# Allegro board fscvmotherboardv2.brd (continued)
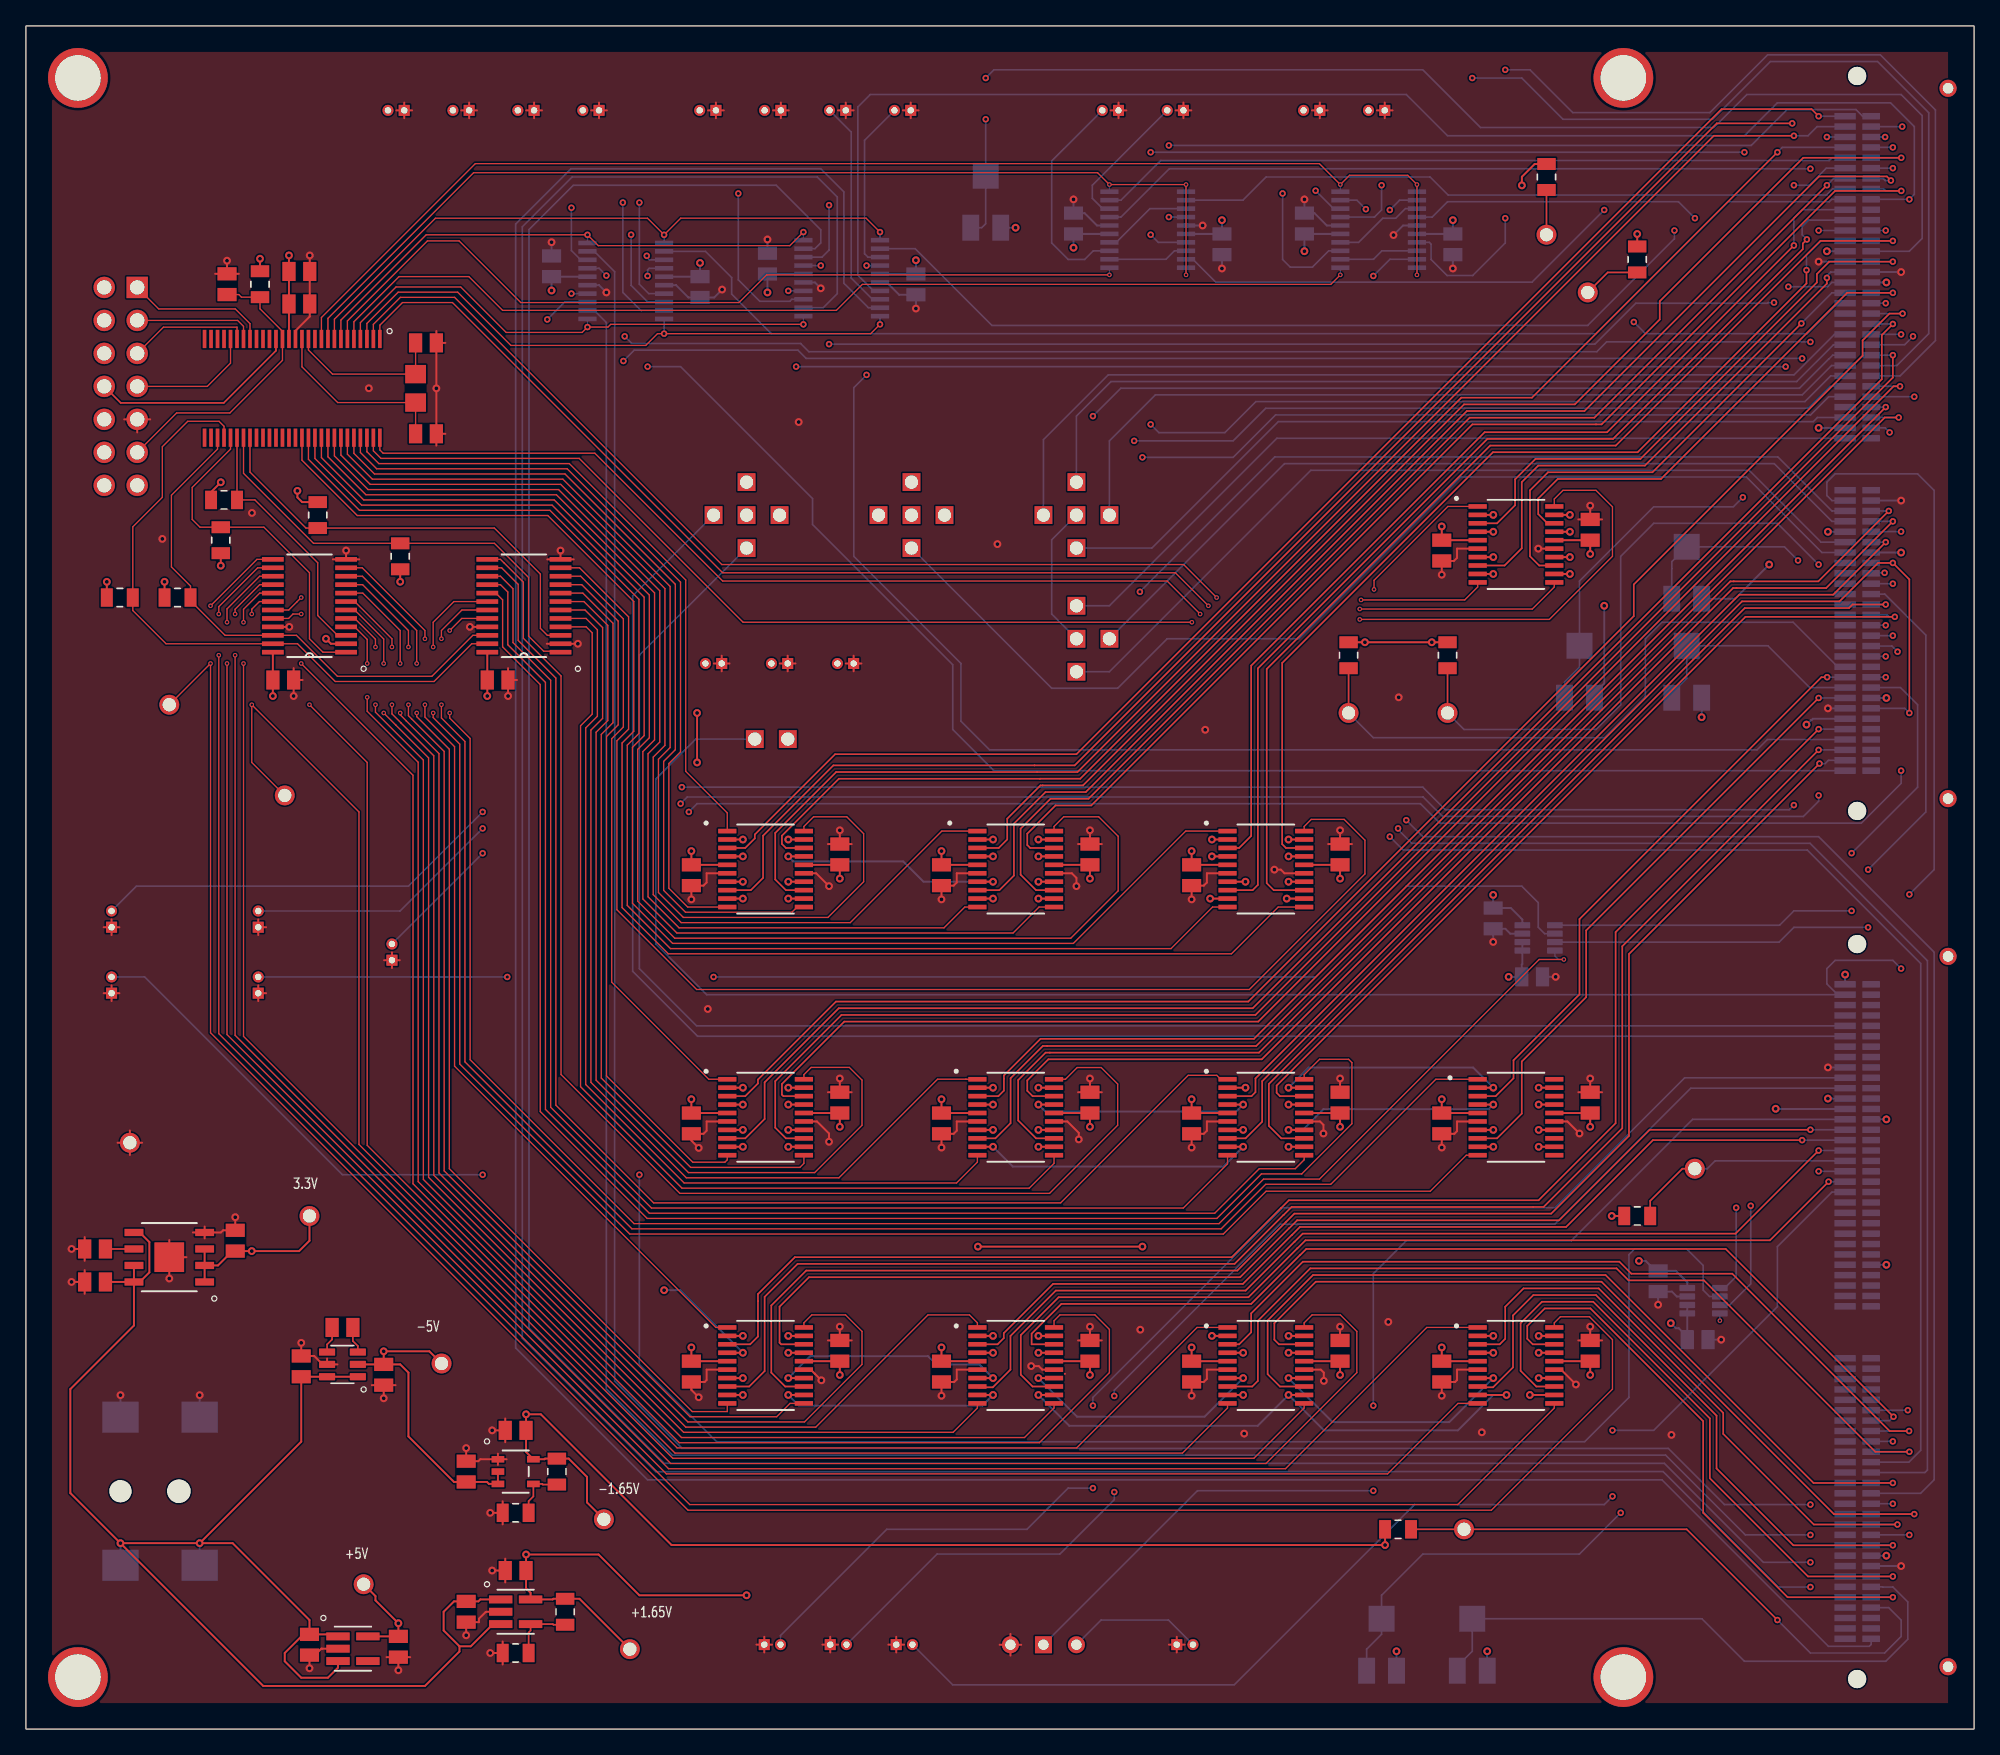
[diagram p0: board, top side]
## Routing (per net, layer and track width the routed paths; a pad name or vN(x,y) marks a point on that pad's centre or on a via; arc(x,y) is an arc through that point) (continued)
VDD_12: length 73.9
  TOP w0.127: v3(137.1,112.35) 137.1,111.33 124.1,98.32 112.96,98.32 96.73,82.1 96.73,68.14 97.02,67.85 U12.18
  BOTTOM w0.127: v3(137.1,112.35) 137.1,113.5 138.19,114.6 J1.13
VDD_34: length 49.3
  TOP w0.127: v3(143.75,14.15) 136.09,14.15 130.17,20.07 130.17,24.13 120.89,33.42 116.07,33.42 114.5,31.85 114.5,27.85 112.96,26.31 111.84,26.31 U9.8
  BOTTOM w0.127: v3(143.75,14.15) J1.231
VDD_56: length 116.2
  TOP w0.127: U17.3 55.76,29.63 56.36,30.23 56.36,32.95 56.36,33.49 59.2,36.34 92.85,36.34 96.61,40.1 96.62,40.1 97.24,40.72 116.47,40.72 122.4,46.65 122.4,61.37 v3(138.03,77)
  BOTTOM w0.127: v3(138.03,77) J1.56
VDD_78: length 38.3
  TOP w0.127: v3(143.75,110.6) 140.23,110.6 125.89,96.27 117.95,96.27 116.44,94.76 116.44,93.56 117.16,92.85 U19.18
  BOTTOM w0.127: v3(143.75,110.6) J1.78
VDD_D: length 88.3
  TOP w0.127: U21.8 93.9,45.49 95.19,46.77 95.19,49.89 132.13,86.84 139.64,86.84 142.6,89.8 v3(143.75,89.8) 145.02,88.53 v3(145.02,78.25)
  BOTTOM w0.127: v3(145.02,78.25) 144.66,78.6 J1.114 ; v3(143.75,89.8) J1.100
VDD_IT: length 172.9
  POWER w0.127: v3(144.38,58.56) 144.38,63.64 v3(145.02,64.28)
  BOTTOM w0.127: 139.5,56.55 J1.122 ; 139.5,56.55 138.67,57.38 138.67,58.56 139.31,59.2 143.75,59.2 v3(144.38,58.56) ; 139.5,56.55 52.41,56.55 48.5,60.47 48.5,73.17 51.57,76.23 VDD_IT1.TP ; v3(145.02,64.28) 146.93,66.18 146.93,95.39 145.66,96.66 139.31,96.66 138.67,96.03 138.67,94.99 139.06,94.6 J1.34
CH_A_SEL: length 49.5
  TOP w0.1: v3(65.76,115.28) 64.69,116.35 50.42,116.35 v3(49.13,115.07) 47.86,116.34 31.53,116.34 23.75,108.57 U1.8
  BOTTOM w0.127: U18.1 v3(65.76,115.28) ; U20.1 v3(49.13,115.07)
CH_AB_COND_SEL: length 66
  TOP w0.1: v1(83.42,111.98) 57.03,111.98 54.9,109.85 38.1,109.85 33.35,114.6 30.91,114.6 24.75,108.44 U1.6
  BOTTOM w0.1: 83.42,112.53 v1(83.42,111.98)
CH_AB_SEL: length 81.3
  TOP w0.1: U1.9 23.25,108.63 34.47,119.85 82.51,119.85 v1(83.42,118.94) v1(89.33,118.94) v1(89.33,111.98)
  BOTTOM w0.1: U22.11 v1(89.33,118.94) ; 89.33,112.53 v1(89.33,111.98) ; U22.10 v1(83.42,118.94)
CH_B_SEL: length 45.8
  TOP w0.1: v3(65.76,108.17) 65.04,107.46 v3(49.13,107.46) 48.63,107.46 47.72,106.55 37.34,106.55 33.24,110.65 28.66,110.65 26.25,108.24 U1.3
  BOTTOM w0.127: U18.10 v3(65.76,108.17) ; U20.10 v3(49.13,107.46)
CH_C_SEL: length 41.8
  TOP w0.1: U1.7 24.25,108.5 30.81,115.07 v3(43.23,115.07) 44.07,114.23 58.82,114.23 v3(59.86,115.28)
  BOTTOM w0.1: v3(43.23,115.07) U20.20 ; v3(59.86,115.28) U18.20
CH_CD_COND_SEL: length 81.5
  TOP w0.1: v1(101.2,111.98) 100.47,111.25 64.4,111.25 62.4,109.25 36.7,109.25 34.1,111.85 28.73,111.85 25.25,108.37 U1.5
  BOTTOM w0.1: 101.2,112.53 v1(101.2,111.98)
CH_CD_SEL: length 100.8
  TOP w0.1: v1(107.11,111.98) v1(107.11,118.94) 106.39,119.65 101.92,119.65 v1(101.2,118.94) 99.59,120.55 34.6,120.55 22.75,108.7 U1.10
  BOTTOM w0.1: U23.11 v1(107.11,118.94) ; 107.11,112.53 v1(107.11,111.98) ; U23.10 v1(101.2,118.94)
CH_D_SEL: length 39.5
  TOP w0.1: U1.4 25.75,108.31 28.49,111.05 33.47,111.05 36.97,107.55 42.82,107.55 v3(43.23,107.96) 44.81,107.96 45.02,108.17 v3(59.86,108.17)
  BOTTOM w0.1: U20.11 v3(43.23,107.96) ; U18.11 v3(59.86,108.17)
CH_EN_1: length 80
  TOP w0.127: U12.8 94.45,64.6 94.86,65.01 94.86,81.68 112.53,99.35 122.2,99.35 136.82,113.97 136.82,114.4 v3(137.13,114.71)
  BOTTOM w0.127: v3(137.13,114.71) 136.76,115.08 136.76,115.71 137.26,116.2 J1.11
CH_EN_1_SEL: length 104.4
  TOP w0.1: U12.10 91.37,63.3 88.17,60.1 49.62,60.1 46.3,63.42 46.3,75.77 47.2,76.67 47.2,87 40.35,93.85 25.68,93.85 21.75,97.78 U1.45
CH_EN_2: length 110
  TOP w0.127: U16.3 55.38,67.85 56.12,68.59 56.12,68.89 62.3,75.07 80.89,75.07 130.56,124.75 137.49,124.75 v3(138.03,124.2)
  BOTTOM w0.127: v3(138.03,124.2) J1.1
CH_EN_2_SEL: length 50.4
  TOP w0.1: U16.1 54,70.55 50.8,73.75 50.8,88.49 41.84,97.45 27.17,97.45 26.25,98.37 U1.54
CH_EN_3: length 46.1
  TOP w0.127: v3(144.1,15.75) 137.66,15.75 130.69,22.73 130.69,24.35 121.1,33.93 115.31,33.93 113.9,32.52 113.9,30.05 113.48,29.63 U9.3
  BOTTOM w0.127: v3(144.1,15.75) J1.229
CH_EN_3_SEL: length 150.5
  TOP w0.1: U6.16 18,88.12 16.1,86.23 v1(16.1,85.87) ; U9.1 107.86,30.93 96.98,20.05 49.48,20.05 16.1,53.42 v1(16.1,82.69)
  POWER w0.125: v1(16.1,85.87) v1(16.1,82.69)
CH_EN_4: length 78.8
  TOP w0.127: v3(143.8,24.05) 130.88,36.97 98.58,36.97 98.11,36.5 98.11,36.5 94.34,32.74 79.73,32.74 77.43,30.45 77.43,29.63 U24.18
  BOTTOM w0.127: v3(143.8,24.05) 143.5,23.75 J1.219
CH_EN_4_SEL: length 117.9
  TOP w0.1: U24.20 79.16,31.44 79.62,31.89 82.31,31.89 83.42,30.78 83.42,27.45 78.03,22.05 50.31,22.05 30.2,42.16 30.2,74.45 26.28,78.38 v1(26.28,79.45) ; v1(26.28,82.06) 26.28,83.91 25.31,84.88 U6.4
  POWER w0.125: v1(26.28,82.06) v1(26.28,79.45)
CH_EN_5: length 117.9
  TOP w0.127: U17.8 55.69,26.38 56.88,27.57 56.88,33.28 59.42,35.82 93.06,35.82 96.83,39.59 96.84,39.59 97.45,40.21 116.06,40.21 116.86,40.21 122.92,46.27 122.92,60.28 v3(138.03,75.4)
  BOTTOM w0.127: v3(138.03,75.4) J1.58
CH_EN_5_SEL: length 79.4
  TOP w0.1: U17.10 54,24.45 51.3,24.45 32.6,43.15 32.6,75.45 30.08,77.97 v1(30.08,78.25) ; U6.10 25.91,88.78 30.08,84.6 v1(30.08,82.06)
  POWER w0.125: v1(30.08,82.06) v1(30.08,78.25)
CH_EN_6: length 93.2
  TOP w0.127: U13.18 77.33,67.85 77.1,68.08 77.1,68.95 79.28,71.13 82.03,71.13 111.37,100.47 120.89,100.47 121.32,100.47 139.3,118.45 v3(144.4,118.45)
  BOTTOM w0.127: J1.68 143.05,118.6 143.2,118.45 v3(144.4,118.45)
CH_EN_6_SEL: length 105.2
  TOP w0.1: U1.47 22.75,97.91 26.01,94.65 40.68,94.65 48,87.33 48,76.34 47.1,75.44 47.1,63.76 49.96,60.9 80.45,60.9 84.1,64.55 84.1,68.75 82.6,70.25 79.91,70.25 79.16,69.5 U13.20
CH_EN_7: length 120.2
  TOP w0.127: v3(144.5,109) 143.48,109 141.42,106.94 141.42,105.76 123.8,88.14 123.8,85.7 94.12,56.02 62.37,56.02 56.36,50.01 56.36,49.72 55.38,48.74 U15.3
  BOTTOM w0.127: v3(144.5,109) J1.80
CH_EN_7_SEL: length 46.5
  TOP w0.1: U15.1 52.58,50.04 45.1,57.52 45.1,76.26 46,77.16 46,85.48 42.71,88.78 U4.10
CH_EN_8: length 98.1
  TOP w0.127: U14.8 74.64,45.49 75.81,46.66 75.81,50.12 78.3,52.6 78.63,52.6 78.63,52.6 94.73,52.6 143.13,101 v3(144.2,101)
  BOTTOM w0.127: v3(144.2,101) J1.90
CH_EN_8_SEL: length 73.1
  TOP w0.1: U14.10 73.26,43.66 71.65,42.05 50.68,42.05 43.1,49.63 43.1,77.09 44,77.99 44,84.65 43.12,85.53 U4.5
CH_EN_D: length 93
  TOP w0.127: U14.13 77.78,45.49 76.4,46.86 76.4,49.98 78.51,52.09 78.84,52.09 78.84,52.09 94.94,52.09 131.23,88.38 131.5,88.38 138.01,88.38 v3(143.43,93.8)
  BOTTOM w0.127: J1.95 143.43,93.8 v3(143.43,93.8)
CH_EN_D_SEL: length 79.1
  TOP w0.1: U14.11 79.16,43.56 77.25,41.65 50.52,41.65 42.7,49.47 42.7,77.26 43.6,78.16 43.6,84.42 43.14,84.88 U4.4
CH_OUT_A: length 13.3
  BOTTOM w0.127: U18.3 64.83,113.35 64.57,113.61 64.57,122.34 J5.1
CH_OUT_B: length 16.5
  BOTTOM w0.127: J9.1 63.54,122.98 63.54,111.74 65.18,110.1 U18.8
CH_OUT_C: length 15
  POWER w0.127: J13.1 61.84,119.69 v3(61.84,117.35)
  BOTTOM w0.127: U18.18 61.3,113.35 61.84,113.89 v3(61.84,117.35)
CH_OUT_D: length 20
  POWER w0.127: v3(54.85,118.25) 54.85,121.68 J17.1
  BOTTOM w0.127: v3(54.85,118.25) 54.85,111.6 56.5,109.95 58.82,109.95 58.97,110.1 U18.13
CH_OUTPUT_1: length 80.2
  POWER w0.127: v3(126.93,115.4) v3(138.03,115.4)
  BOTTOM w0.127: v3(126.93,115.4) 126.93,114.77 120.25,108.09 74.38,108.09 68.47,114 U18.2 ; v3(138.03,115.4) J1.12
CH_OUTPUT_2: length 239.3
  BOTTOM w0.127: U18.9 64.87,109.45 62.98,111.33 62.98,118.37 61.2,120.16 41.97,120.16 37.7,115.89 37.7,29.35 47.86,19.19 125.97,19.19 138.79,6.37 141.93,6.37 142.07,6.51 J1.240
CH_OUTPUT_3: length 231
  POWER w0.127: v3(145.02,14.95) 145.02,14.11 143.12,12.21 138.03,12.21 v3(137.4,12.84)
  BOTTOM w0.127: J1.230 v3(145.02,14.95) ; U18.19 60.75,114 61.2,114.45 61.2,115.45 57.77,118.89 42.15,118.89 38.73,115.47 38.73,30.86 49.13,20.46 126.15,20.46 133.77,12.84 v3(137.4,12.84)
CH_OUTPUT_4: length 254.2
  POWER w0.127: v3(137.4,10.94) 143.75,10.94 146.29,13.48 146.29,23.3 145.04,24.55 v3(144.9,24.55)
  BOTTOM w0.127: U18.12 61.38,109.45 62.47,110.54 62.47,117.98 60.93,119.52 42.06,119.52 38.22,115.68 38.22,30.11 48.5,19.83 126.06,19.83 134.95,10.94 v3(137.4,10.94) ; v3(144.9,24.55) J1.218
CH_OUTPUT_5: length 109.3
  POWER w0.127: v3(64.73,104.28) v3(64.73,112.7)
  BOTTOM w0.127: v3(64.73,112.7) U18.4 ; J1.57 134.09,76.2 133.29,75.4 74.2,75.4 72,77.61 72,82.06 63.74,90.31 63.74,103.29 v3(64.73,104.28)
CH_OUTPUT_6: length 108.7
  BOTTOM w0.127: U18.7 65.26,110.75 64.06,111.96 64.06,124.92 65.01,125.87 106.28,125.87 109.46,122.7 132.32,122.7 134.85,125.23 143.57,125.23 145.4,123.4 145.4,118.18 v3(145.02,117.8) J1.69
CH_OUTPUT_7: length 91.5
  POWER w0.127: v3(134.6,109.85) 135.04,109.85 135.09,109.8 v3(143.2,109.8) ; v3(61.2,112.7) 61.84,112.06 v3(61.84,106.65)
  BOTTOM w0.127: v3(134.6,109.85) 134.16,109.85 134.11,109.8 123.96,109.8 120.81,106.65 v3(61.84,106.65) ; J1.79 v3(143.2,109.8) ; v3(61.2,112.7) U18.17
CH_OUTPUT_8: length 95.1
  POWER w0.127: v3(135.5,104.92) 140.21,100.2 143.15,100.2 v3(143.5,99.85) ; v3(59.3,104.92) 58.7,105.52 v3(58.7,110.75)
  BOTTOM w0.127: v3(143.5,99.85) 143.15,100.2 J1.91 ; U18.14 v3(58.7,110.75) ; v3(59.3,104.92) v3(135.5,104.92)
CM: length 88.3
  POWER w0.127: v3(103.75,18.35) v3(103.75,24.91)
  BOTTOM w0.127: v3(103.75,18.35) 90.2,18.35 SW1.1 ; J1.134 128.33,46.95 118.98,37.61 106.28,37.61 103.75,35.07 v3(103.75,24.91)
CM_EXT: length 10.5
  BOTTOM w0.127: J22.1 87.96,8.4 82.79,8.4 SW1.2
COND_EN_1: length 90.8
  TOP w0.127: v3(138.67,118.89) 120.77,100.98 111.16,100.98 81.82,71.64 78.89,71.64 76.59,69.34 76.59,65.79 77.78,64.6 U13.13
  BOTTOM w0.127: J1.7 139.19,119.4 v3(138.67,118.89)
COND_EN_1_SEL: length 88.5
  TOP w0.1: U1.48 23.25,97.97 26.17,95.05 40.84,95.05 48.4,87.49 48.4,76.17 47.5,75.27 47.5,63.92 50.12,61.3 76,61.3 78,63.3 U13.11
COND_EN_2: length 106.3
  TOP w0.127: U16.18 58.52,67.85 58.21,68.16 58.21,68.79 62.6,73.18 78.08,73.18 81.18,73.18 110.52,102.53 115.96,102.53 v3(134.86,121.43)
  BOTTOM w0.127: v3(134.86,121.43) 135.24,121.8 J1.4
COND_EN_2_SEL: length 81.5
  TOP w0.1: U16.20 59.9,69.5 60.65,70.25 63.2,70.25 64.5,68.95 64.5,65.25 61.75,62.5 50.62,62.5 48.7,64.42 48.7,74.68 49.6,75.58 49.6,87.99 41.34,96.25 26.67,96.25 24.75,98.17 U1.51
COND_EN_3: length 65.2
  TOP w0.127: v3(143.75,18.95) 137.64,18.95 121.63,34.96 99.1,34.96 95.61,31.46 95.61,27.33 96.56,26.38 U11.13
  BOTTOM w0.127: v3(143.75,18.95) J1.225
COND_EN_3_SEL: length 139.3
  TOP w0.1: v1(17.39,85.87) 17.39,86.23 17.97,86.83 U6.18 ; U11.11 98.42,24.72 94.55,20.85 49.81,20.85 25.64,45.02 25.64,70.62 v1(17.39,78.88) 17.39,74.44 TP2.TP
  POWER w0.125: v1(17.39,78.88) v1(17.39,85.87)
COND_EN_4: length 67.8
  TOP w0.127: U11.8 94.42,26.38 94.86,26.81 94.86,31.44 98.89,35.47 122.48,35.47 123.4,34.55 129.2,34.55 142.4,21.35 v3(145.02,21.35)
  BOTTOM w0.127: v3(145.02,21.35) J1.222
COND_EN_4_SEL: length 124.7
  TOP w0.1: U6.19 20.23,86.18 20.84,86.78 v1(21.19,87.14) ; U11.10 92.52,24.72 89.05,21.25 49.98,21.25 26.28,44.95 26.28,74.44 v1(21.83,78.88)
  POWER w0.125: v1(21.83,78.88) 21.83,86.5 v1(21.19,87.14)
COND_EN_5: length 119.3
  TOP w0.127: v3(136,123.65) 130.19,123.65 80.75,74.21 77.65,74.21 62.17,74.21 56.76,68.79 56.76,65.55 55.81,64.6 U16.8
  POWER w0.127: v3(144.47,123.4) 136.69,123.4 136.44,123.65 v3(136,123.65)
  BOTTOM w0.127: J1.62 v3(144.47,123.4)
COND_EN_5_SEL: length 59
  TOP w0.1: U16.10 50.95,63.3 49.5,64.75 49.5,74.35 50.4,75.25 50.4,88.32 41.67,97.05 27,97.05 25.75,98.3 U1.53
COND_EN_6: length 97.2
  TOP w0.127: U13.3 74.9,67.85 75.56,68.51 75.56,70.11 78.12,72.67 78.29,72.67 81.39,72.67 110.73,102.01 119.26,102.01 125.8,108.55 125.8,109.95 136.85,121 v3(144.4,121)
  BOTTOM w0.127: v3(144.4,121) J1.65
COND_EN_6_SEL: length 83.3
  TOP w0.1: U1.50 24.25,98.11 26.51,95.85 41.17,95.85 49.2,87.82 49.2,75.75 48.3,74.85 48.3,64.25 50.45,62.1 63.47,62.1 70.52,69.15 U13.1
COND_EN_7: length 118
  TOP w0.127: v3(143.75,105.8) 143.75,104.07 94.67,54.99 62.8,54.99 57.69,49.89 57.69,46.31 58.52,45.49 U15.13
  BOTTOM w0.127: v3(143.75,105.8) J1.84
COND_EN_7_SEL: length 59.6
  TOP w0.1: U15.11 59.9,43.56 59.59,43.25 51.18,43.25 44.3,50.13 44.3,76.6 45.2,77.5 45.2,85.15 42.88,87.48 U4.8
COND_EN_8: length 113.1
  TOP w0.127: v3(144.3,103.4) 143.8,103.4 94.88,54.48 63.01,54.48 58.21,49.68 58.21,48.85 58.32,48.74 U15.18
  BOTTOM w0.127: v3(144.3,103.4) J1.87
COND_EN_8_SEL: length 73.7
  TOP w0.1: U15.20 59.9,50.39 60.46,50.95 63.4,50.95 64.38,49.98 64.38,46.5 60.73,42.85 51.01,42.85 43.9,49.96 43.9,76.76 44.8,77.66 44.8,84.99 42.96,86.83 U4.7
COND_EN_D: length 67.2
  TOP w0.127: v3(143.9,85.65) 132.4,85.65 96.3,49.55 96.3,49 96.56,48.74 U21.18
  BOTTOM w0.127: J1.105 143.31,85.8 143.46,85.65 v3(143.9,85.65)
COND_EN_D_SEL: length 120.3
  TOP w0.1: U21.20 98.42,50.39 99.6,51.58 101.84,51.58 102.1,51.32 102.1,46.62 98.23,42.75 95.13,42.75 91.7,39.32 47.83,39.32 39.6,47.55 39.6,80.44 36.7,83.34 36.7,86.96 36.18,87.48 U4.17
EN_12_SEL: length 102.1
  TOP w0.1: U12.20 98.42,69.5 98.97,70.05 101.5,70.05 103.1,68.45 103.1,65.85 94.2,56.95 51.64,56.95 45.5,63.09 45.5,76.1 46.4,77 46.4,85.65 42.62,89.43 41.16,89.43
EN_34_SEL: length 149.9
  TOP w0.1: v1(15.48,85.23) 15.48,86.26 18,88.78 U6.15 ; v1(15.48,82.06) 15.48,53.48 49.31,19.65 104.84,19.65 110.27,25.08 U9.10
  POWER w0.125: v1(15.48,82.06) v1(15.48,85.23)
EN_56_SEL: length 71.9
  TOP w0.1: v1(30.72,83.96) 30.72,84.59 25.89,89.43 24.65,89.43 ; U17.1 53.12,30.93 33,51.05 33,75.65 30.72,77.93 v1(30.72,78.88)
  POWER w0.125: v1(30.72,83.96) v1(30.72,78.88)
EN_78_SEL: length 113.7
  TOP w0.1: v1(102.7,85.45) 117.3,85.45 122.16,90.31 122.16,94.12 120.89,95.39 118.35,95.39 117.68,94.72 U19.20 ; U1.55 26.75,98.43 27.33,97.85 42.6,97.85 55.22,85.23 v1(89.78,85.23)
  POWER w0.125: v1(89.78,85.23) 99.28,85.23 99.5,85.45 v1(102.7,85.45)
EN_D_SEL: length 100.9
  TOP w0.1: U21.10 92.52,43.53 89.11,40.12 48.16,40.12 40.4,47.88 40.4,80.77 37.5,83.67 37.5,87.81 36.54,88.78 U4.15
HP_BYPASS_EN_1: length 76.8
  TOP w0.127: v3(136.13,114.25) 121.75,99.87 112.32,99.87 94.34,81.89 94.34,68.78 93.41,67.85 U12.3
  BOTTOM w0.127: v3(136.13,114.25) 136.13,116.34 136.78,117 J1.10
HP_BYPASS_EN_1_SEL: length 106
  TOP w0.1: U12.1 89.3,69.15 80.65,60.5 49.79,60.5 46.7,63.59 46.7,75.6 47.6,76.5 47.6,87.16 40.51,94.25 25.84,94.25 22.25,97.84 U1.46
HP_BYPASS_EN_2: length 111
  TOP w0.127: v3(136.13,122.7) 129.96,122.7 80.96,73.7 77.86,73.7 62.38,73.7 57.69,69.01 57.69,65.42 58.52,64.6 U16.13
  BOTTOM w0.127: v3(136.13,122.7) 137.22,122.7 137.92,123.4 J1.2
HP_BYPASS_EN_2_SEL: length 65.7
  TOP w0.1: U1.52 25.25,98.24 26.84,96.65 41.51,96.65 50,88.16 50,75.42 49.1,74.52 49.1,64.58 50.78,62.9 58.98,62.9 59.38,63.3 U16.11
HP_BYPASS_EN_3: length 65
  TOP w0.127: v3(145.4,16.55) 139.21,16.55 121.31,34.45 99.32,34.45 96.12,31.26 96.12,29.98 96.48,29.63 U11.18
  BOTTOM w0.127: v3(145.4,16.55) J1.228
HP_BYPASS_EN_3_SEL: length 146.3
  TOP w0.1: U11.20 98.42,31.28 99.03,31.89 101.2,31.89 102.47,30.62 102.47,27.45 95.48,20.45 49.64,20.45 16.75,53.34 v1(16.75,82.06) ; U6.17 18,87.48 16.75,86.23 v1(16.75,85.23)
  POWER w0.125: v1(16.75,82.06) v1(16.75,85.23)
HP_BYPASS_EN_4: length 64.3
  TOP w0.127: U11.3 93.41,29.63 94.34,30.55 94.34,32.01 98.32,35.99 122.69,35.99 123.61,35.07 131.38,35.07 143.5,22.95 v3(145,22.95)
  BOTTOM w0.127: v3(145,22.95) J1.220
HP_BYPASS_EN_4_SEL: length 124.8
  TOP w0.1: v1(21.19,85.87) 20.56,85.87 20.22,85.53 U6.20 ; U11.1 90.18,30.93 80.9,21.65 50.14,21.65 29.8,41.99 29.8,73.45 v1(21.19,82.06)
  POWER w0.125: v1(21.19,85.87) v1(21.19,82.06)
HP_BYPASS_EN_5: length 116.4
  TOP w0.127: v3(138.1,74.35) 123.43,59.68 123.43,45.68 117.44,39.69 97.67,39.69 97.05,39.07 97.04,39.07 93.28,35.31 60.08,35.31 57.39,32.62 57.39,27.45 58.46,26.38 U17.13
  BOTTOM w0.127: v3(138.1,74.35) 138.54,74.35 138.79,74.6 J1.59
HP_BYPASS_EN_5_SEL: length 85
  TOP w0.1: v1(29.45,83.33) 29.45,84.59 25.92,88.12 U6.9 ; v1(29.45,78.88) 29.45,78.04 29.69,77.8 29.69,77.8 32.2,75.28 32.2,42.98 51.14,24.05 57.8,24.05 58.83,25.08 U17.11
  POWER w0.125: v1(29.45,83.33) v1(29.45,78.88)
HP_BYPASS_EN_6: length 97.2
  TOP w0.127: U13.8 74.95,64.6 76.07,65.72 76.07,69.72 78.5,72.15 81.6,72.15 110.95,101.5 120,101.5 138.06,119.56 143.29,119.56 v3(143.6,119.25)
  BOTTOM w0.127: J1.67 143.01,119.4 143.16,119.25 v3(143.6,119.25)
HP_BYPASS_EN_6_SEL: length 81.7
  TOP w0.1: U1.49 23.75,98.04 26.34,95.45 41.01,95.45 48.8,87.66 48.8,76.01 47.9,75.11 47.9,64.09 50.29,61.7 70.69,61.7 72.29,63.3 U13.10
HP_BYPASS_EN_7: length 121
  TOP w0.127: v3(143.75,108.2) 142.9,107.35 142.9,103.95 94.46,55.51 62.58,55.51 56.88,49.8 56.88,46.98 55.38,45.49 U15.8
  BOTTOM w0.127: v3(143.75,108.2) J1.81
HP_BYPASS_EN_7_SEL: length 53.5
  TOP w0.1: U15.10 54,43.83 53.82,43.65 51.34,43.65 44.7,50.3 44.7,76.43 45.6,77.33 45.6,85.32 42.79,88.12 U4.9
HP_BYPASS_EN_8: length 93.7
  TOP w0.127: v3(143.2,101.8) 94.55,53.15 78.12,53.15 75.3,50.33 75.3,50.08 75.3,49.16 74.87,48.74 U14.3
  BOTTOM w0.127: J1.89 v3(143.2,101.8)
HP_BYPASS_EN_8_SEL: length 75.1
  TOP w0.1: U14.1 72.38,50.04 72.38,50.04 70.19,50.04 62.6,42.45 50.85,42.45 43.5,49.8 43.5,76.93 44.4,77.83 44.4,84.82 43.05,86.18 U4.6
HP_BYPASS_EN_D: length 89.2
  TOP w0.127: U14.18 77.51,48.74 77.1,49.15 77.1,49.95 78.72,51.57 95.16,51.57 131.45,87.87 131.71,87.87 138.62,87.87 v3(143.75,93)
  BOTTOM w0.127: v3(143.75,93) J1.96
HP_BYPASS_EN_D_SEL: length 100.4
  TOP w0.1: U14.20 80.04,50.04 80.94,50.94 82.79,50.94 84.06,49.67 84.06,46.5 78.81,41.25 50.35,41.25 41.2,50.4 41.2,81.1 38.3,84 38.3,88.32 36.79,89.83 36.79,89.83 36.54,90.08 U4.13
HPF_OUT_BUF: length 135
  POWER w0.127: v3(35.17,67.44) 47.86,67.44 v3(51.04,70.62) ; v3(144.38,73.8) 145.66,75.07 145.66,80.15 v3(143.2,82.6)
  BOTTOM w0.127: J20.1 v3(35.17,67.44) ; v3(51.04,70.62) 51.67,71.26 107.37,71.26 108.87,69.76 141.32,69.76 144.38,72.83 v3(144.38,73.8) ; J1.109 v3(143.2,82.6)
IBX_PR: length 17.4
  TOP w0.127: R14.1 125.06,40.67 127.54,43.15 IBX_PR.TP
  BOTTOM w0.127: IBX_PR.TP 129.46,43.15 130.06,43.75 J1.138
IIN_PR: length 99.6
  POWER w0.127: v3(83.8,18.25) v3(83.8,25.65)
  BOTTOM w0.127: v3(83.8,18.25) 83.8,17.66 79.62,13.48 70.15,13.48 J23.1 ; J1.131 128.19,49.35 117.72,38.88 96.58,38.88 83.8,26.09 v3(83.8,25.65)
INT1: length 35.5
  TOP w0.1: 41.16,82.93 41.08,83 39.86,83 38.7,84.16 38.7,88.68 36.07,91.31 R2.1 22.14,91.31 16.75,96.7 U1.35
INT2: length 26.6
  TOP w0.1: U1.33 15.75,98.56 12.8,95.62 12.8,93.15 13.4,92.55 R6.1 18.32,92.55 21.83,89.04 21.83,83.96 22.86,82.93 24.65,82.93
IREF_EN_12: length 41
  TOP w0.127: v3(138.67,111.75) 138.67,111.31 124.66,97.3 116.44,97.3 115.17,96.03 115.17,90.93 113.85,89.6 U19.8
  BOTTOM w0.127: J1.16 138.97,112.2 138.67,111.9 v3(138.67,111.75)
IREF_EN_12_SEL: length 96.9
  TOP w0.1: v1(102.8,86.95) 110.78,86.95 111.78,87.95 U19.10 ; v1(91.05,86.5) 88.5,89.04 53.65,89.04 32.84,109.85 28.99,109.85 27.25,108.11 U1.1
  POWER w0.125: v1(102.8,86.95) 94.9,86.95 94.45,86.5 v1(91.05,86.5)
IREF_EN_34: length 49.3
  TOP w0.127: v3(143.75,11.75) 137.22,11.75 129.66,19.31 129.66,23.92 120.68,32.9 116.73,32.9 115.09,31.26 115.09,27.59 116.3,26.38 U9.13
  BOTTOM w0.127: v3(143.75,11.75) J1.234
IREF_EN_34_SEL: length 159.6
  TOP w0.1: v1(14.84,85.87) 14.84,86.43 17.84,89.43 19.01,89.43 ; v1(14.84,82.69) 14.84,53.55 51.11,17.29 110.24,17.29 117.68,24.72 U9.11
  POWER w0.125: v1(14.84,82.69) v1(14.84,85.87)
IREF_EN_56: length 47.7
  TOP w0.127: U10.8 113.27,45.49 115.17,47.39 115.17,51.41 120.13,56.37 120.13,61.5 v3(138.03,79.4)
  BOTTOM w0.127: v3(138.03,79.4) J1.53
IREF_EN_56_SEL: length 126
  TOP w0.1: U10.10 110.9,44.19 108.13,41.42 95.49,41.42 92.19,38.12 46.49,38.12 33.4,51.21 33.4,75.85 31.36,77.89 v1(31.36,78.25) ; U4.18 32.95,86.83 31.36,85.23 v1(31.36,83.33)
  POWER w0.125: v1(31.36,78.25) v1(31.36,83.33)
IREF_EN_78: length 43.5
  TOP w0.127: v3(143.75,113) 138.85,113 137.9,112.05 137.9,111.4 124.31,97.81 116.23,97.81 114.66,96.24 114.66,94.24 113.27,92.85 U19.3
  BOTTOM w0.127: v3(143.75,113) J1.75
IREF_EN_78_SEL: length 99.9
  TOP w0.1: v1(103.8,87.76) 103.8,88.46 109.49,94.15 U19.1 ; U1.2 26.75,108.17 28.83,110.25 33,110.25 53.58,89.68 89.14,89.68 v1(91.68,87.14)
  POWER w0.125: v1(103.8,87.76) 92.31,87.76 v1(91.68,87.14)
IREF_EN_D: length 70.3
  TOP w0.127: U21.13 96.66,45.49 95.7,46.45 95.7,49.68 132.35,86.32 140.37,86.32 140.65,86.6 v3(143.2,86.6)
  BOTTOM w0.127: J1.104 v3(143.2,86.6)
IREF_EN_D_SEL: length 106.6
  TOP w0.1: U4.16 36.54,88.12 37.1,87.56 37.1,83.5 40,80.6 40,47.72 48,39.72 91.53,39.72 94.96,43.15 97.74,43.15 98.42,43.83 U21.11
IREF_IBX_12: length 26.6
  TOP w0.127: R15.1 121.8,112.17 IREF_IBX_12.TP
  POWER w0.127: v3(123.8,108.35) 121.53,110.63 IREF_IBX_12.TP